# KiCad board Mainboard Small.kicad_pcb
title: Mainboard Small; date: 2025-01-09; rev: V0
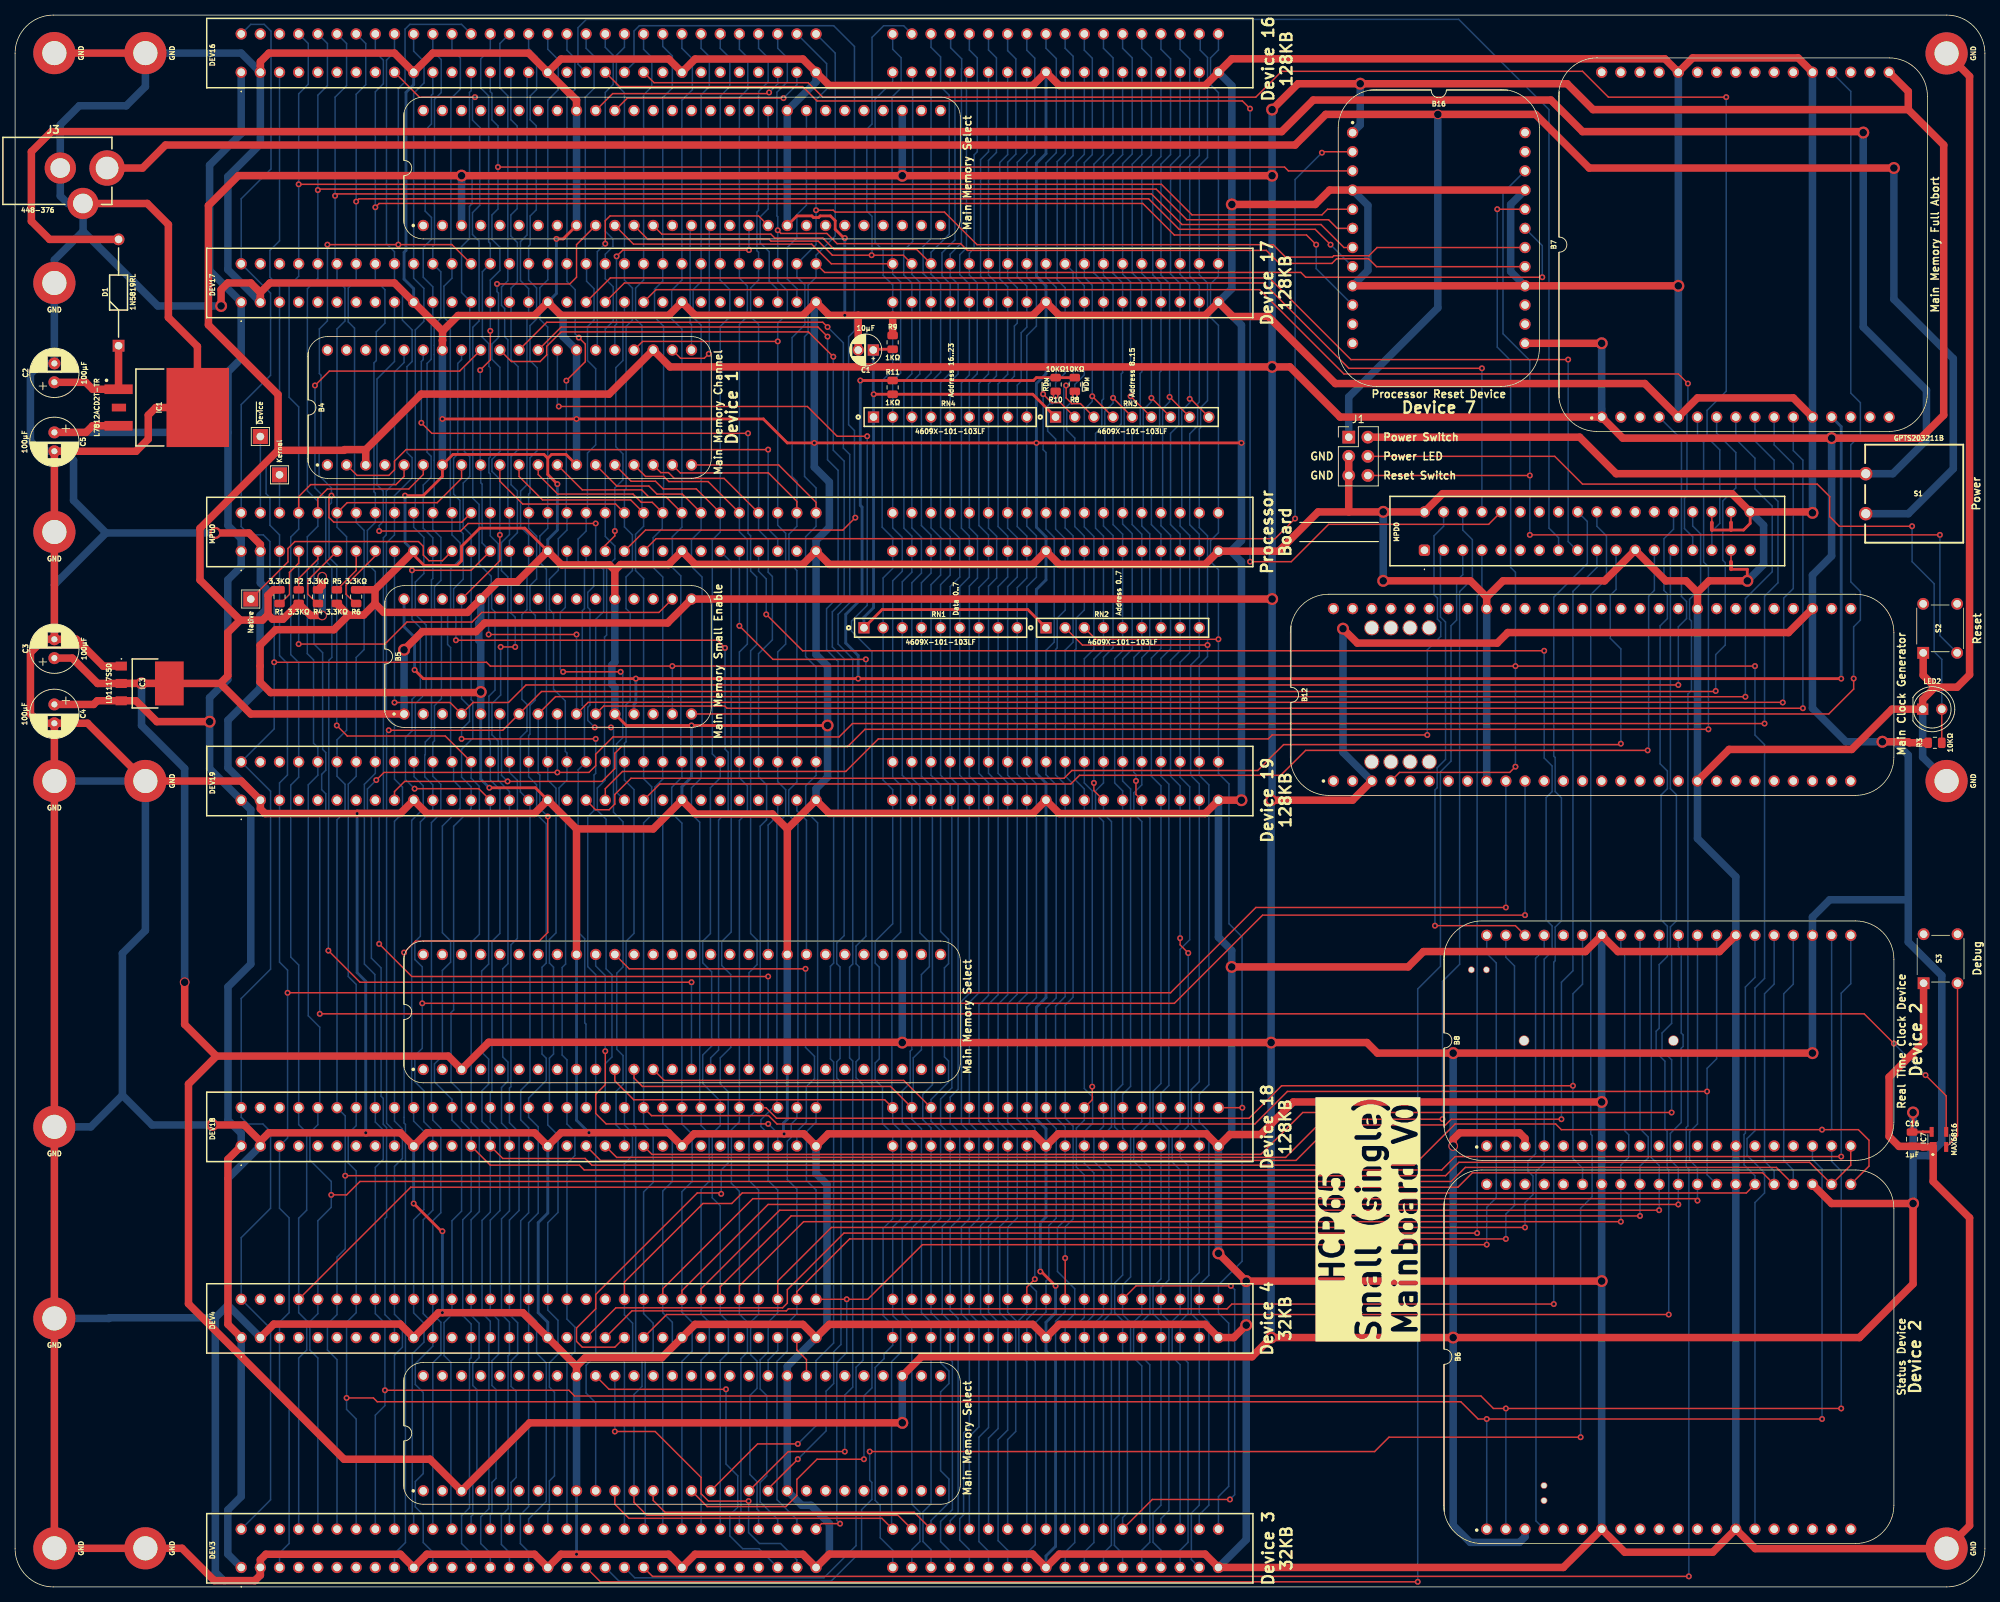
[diagram p0: board, top side]
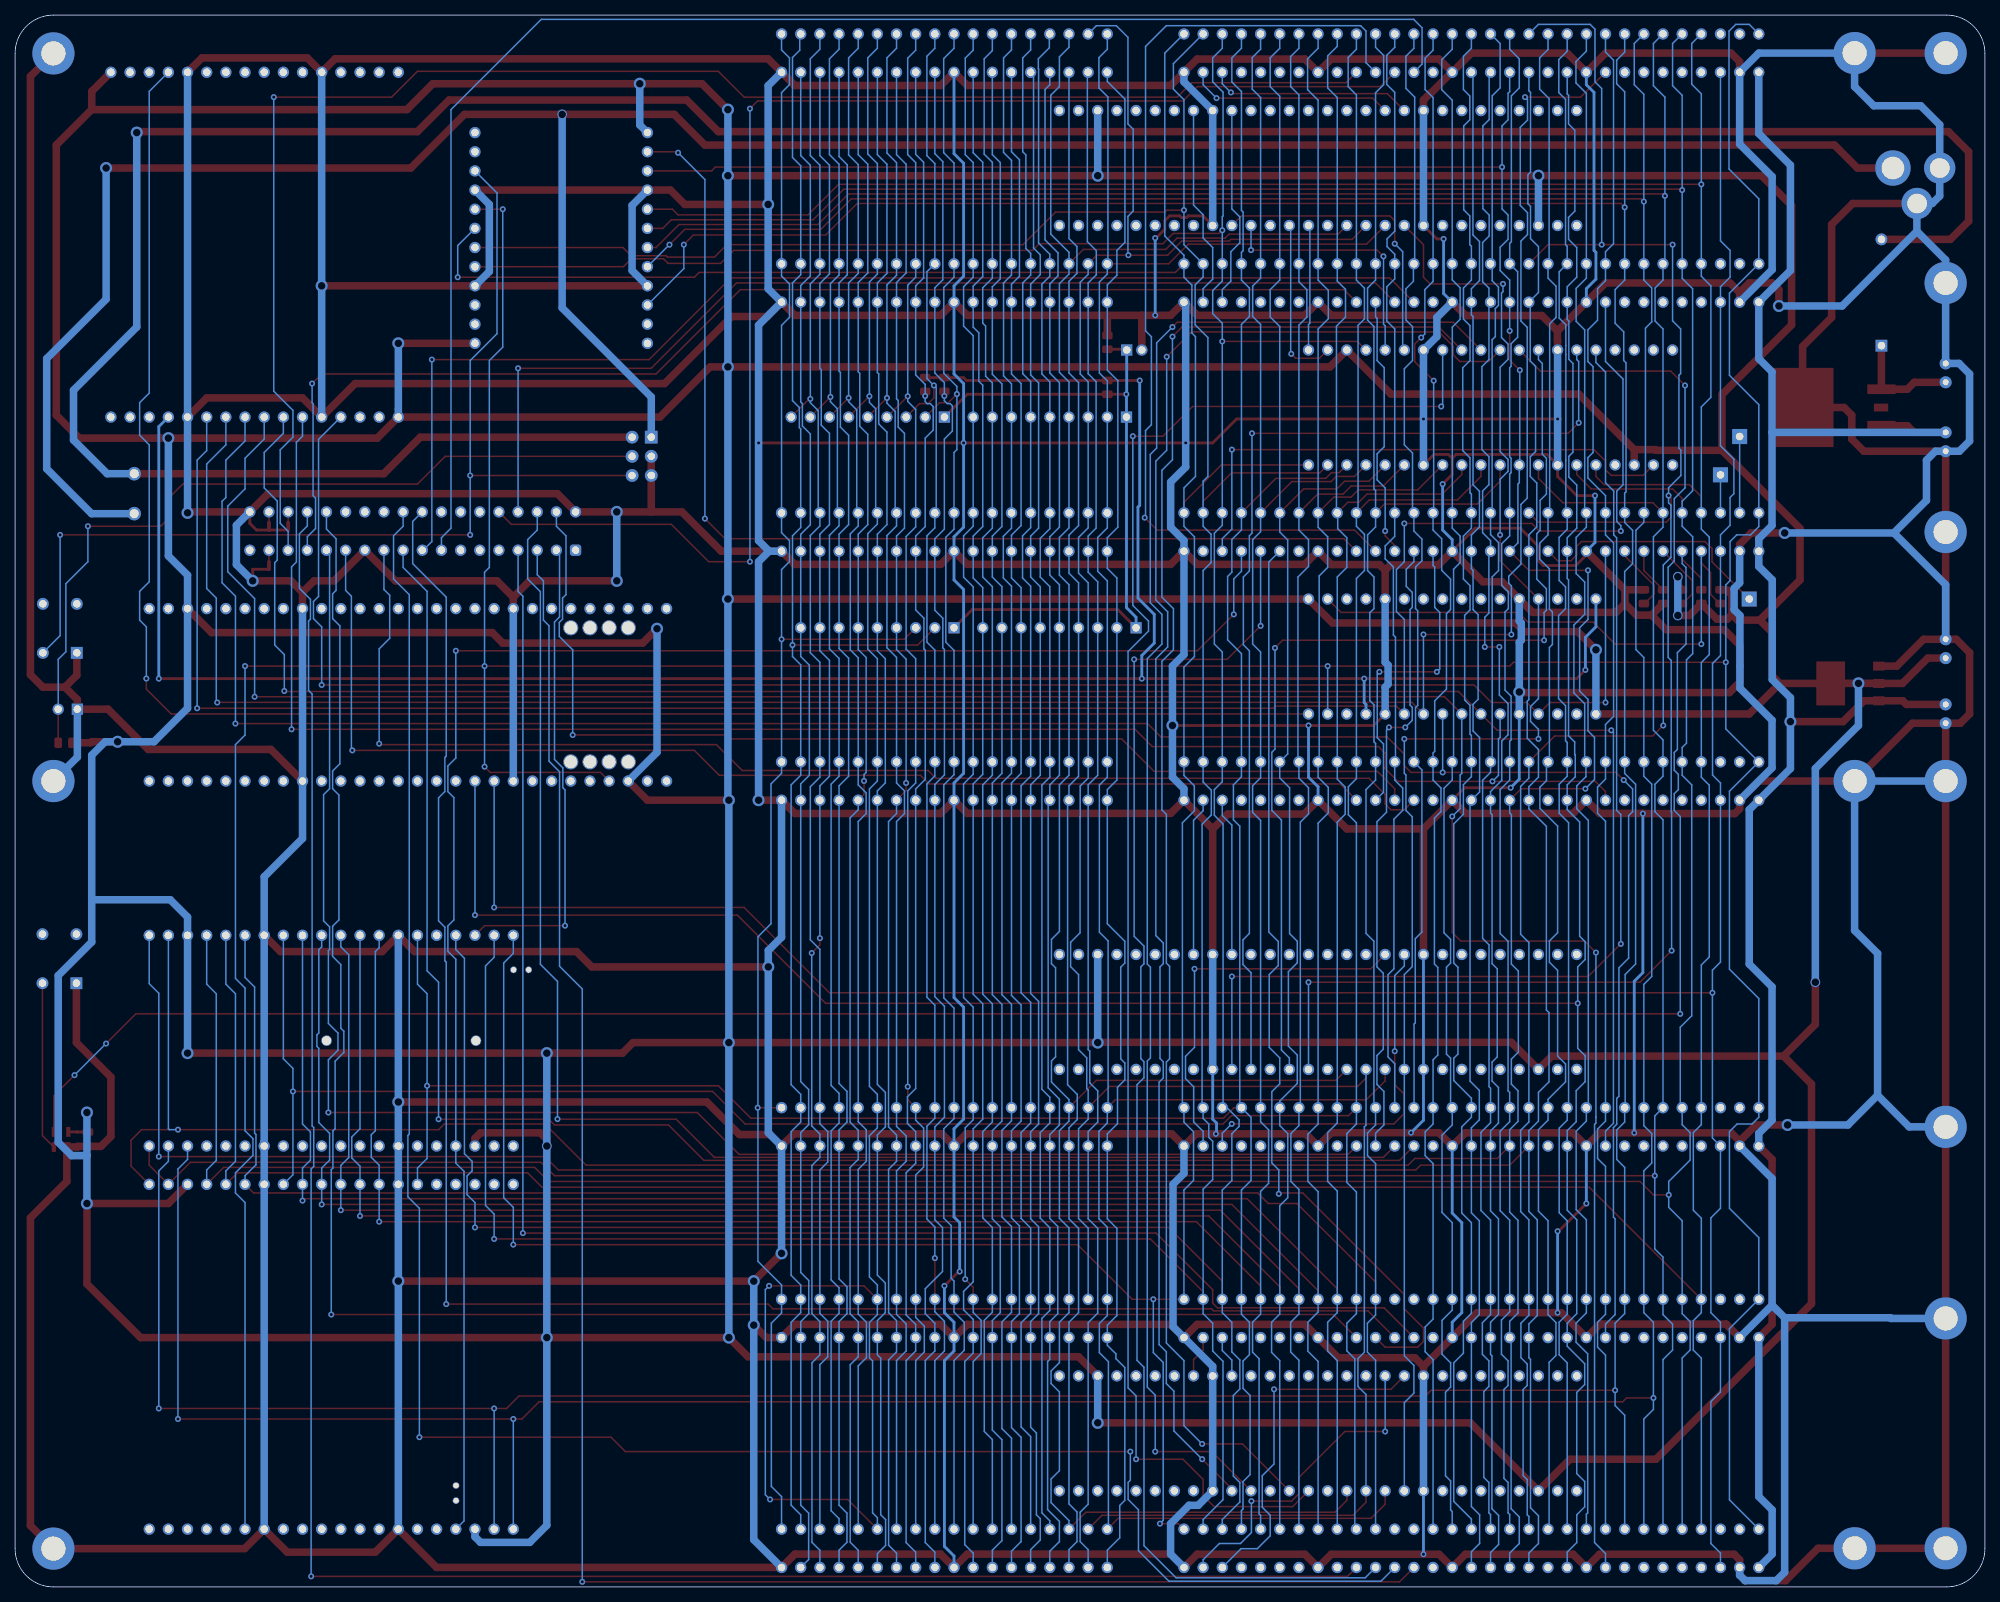
[diagram p1: board, bottom side, seen from below]

Outline 261.11 x 208.42 mm; copper layers: Top, Bottom. Coordinates in mm from the lower left corner of the outline.
Outline path: 0,203.34 arc(1.49,206.93) 5.08,208.42 256.03,208.42 arc(259.62,206.93) 261.11,203.34 261.11,5.08 arc(259.62,1.49) 256.03,0 5.08,0 arc(1.49,1.49) 0,5.08 0,203.34
Stack: Top 0.035mm / dielectric 1.51mm FR4 er 4.5 / Bottom 0.035mm

## Placement (name value [footprint] x y rotation side)
B1  Main Memory Select  [HCP65_Main_Memory_Select]  54.1 180.52 90 top
B2  Main Memory Select  [HCP65_Main_Memory_Select]  54.1 68.62 90 top
B3  Main Memory Select  [HCP65_Main_Memory_Select]  54.1 12.74 90 top
B4  Main Memory Channel  [HCP65_Main_Memory_Channel]  41.4 148.77 90 top
B5  Main Memory Small Enable  [HCP65_Main_Memory_Small_Enable]  51.56 115.75 90 top
B6  Status Device Board  [HCP65_Status_Device_Board]  195.07 7.66 90 top
B7  Main Memory Full Abort  [HCP65_Main_Memory_Full_Abort]  210.31 155.12 90 top
B8  Clock Device Board  [HCP65_Clock_Device_Board]  195.07 58.46 90 top
B12  Main Clock Generator  [HCP65_Clock_Generator]  174.75 106.86 90 top
B16  Processor Reset Device  [HCP65_Processor_Reset_Device]  177.29 192.84 0 top
C1  10μF  [CP_Radial_D4.0mm_P2.00mm]  113.76 164.01 180 top
C2  100μF  [CP_Radial_D6.3mm_P2.50mm]  5.21 159.73 90 top
C3  100μF  [CP_Radial_D6.3mm_P2.50mm]  5.21 123.15 90 top
C4  100μF  [CP_Radial_D6.3mm_P2.50mm]  5.21 117.02 270 top
C5  100μF  [CP_Radial_D6.3mm_P2.50mm]  5.21 153.08 270 top
C16  1μF  [C_0805]  251.46 59.35 0 top
D1  1N5819RL  [DIOAD1414W86L464D238]  13.72 164.58 90 top
DEV3  395-098-520-350  [395098520350]  29.97 2.58 90 top
DEV4  395-098-520-350  [395098520350]  29.97 33.06 90 top
DEV16  395-098-520-350  [395098520350]  29.97 200.84 90 top
DEV17  395-098-520-350  [395098520350]  29.97 170.36 90 top
DEV18  395-098-520-350  [395098520350]  29.97 58.46 90 top
DEV19  395-098-520-350  [395098520350]  29.97 104.32 90 top
H1  MountingHole_Pad  [HCP65_MountingHole_M3_]  256.03 203.34 90 top
H2  MountingHole_Pad  [HCP65_MountingHole_M3_]  5.21 203.38 90 top
H3  MountingHole_Pad  [HCP65_MountingHole_M3_]  256.03 5.08 90 top
H4  MountingHole_Pad  [HCP65_MountingHole_M3_]  5.21 5.12 90 top
H5  MountingHole_Pad  [HCP65_MountingHole_M3_]  5.21 172.9 0 top
H6  MountingHole_Pad  [HCP65_MountingHole_M3_]  5.21 139.88 0 top
H7  MountingHole_Pad  [HCP65_MountingHole_M3_]  5.21 106.86 0 top
H8  MountingHole_Pad  [HCP65_MountingHole_M3_]  5.21 61 0 top
H9  MountingHole_Pad  [HCP65_MountingHole_M3_]  5.21 35.6 0 top
H10  MountingHole_Pad  [HCP65_MountingHole_M3_]  256.03 106.86 90 top
H11  MountingHole_Pad  [HCP65_MountingHole_M3_]  17.27 5.12 90 top
H12  MountingHole_Pad  [HCP65_MountingHole_M3_]  17.27 203.38 90 top
H13  MountingHole_Pad  [HCP65_MountingHole_M3_]  17.27 106.86 90 top
IC1  L7812ACD2T-TR  [TO254P1542X460-3N]  20.12 156.39 270 top
IC3  LD1117S50C  [LD1117S33C]  17.27 119.8 270 top
IC7  MAX6816EUS+T  [MAX812REUST]  255.02 59.48 90 top
J1  Conn_02x03_Counter_Clockwise  [PinHeader_2x03_P2.54mm_Vertical]  176.78 152.45 0 top
J3  448-376  [448376]  0.97 188.14 180 top
LED2  Red  [LED_D5.0mm]  252.86 116.38 0 top
MPD0  2-5530843-7  [255308437]  186.82 137.46 90 top
MPU0  395-098-520-350  [395098520350]  29.97 137.34 90 top
NT1  NetTie  [NetTie-2_SMD_Pad0.5mm]  227.46 140.64 270 top
NT2  NetTie  [NetTie-2_SMD_Pad0.5mm]  227.46 135.43 270 top
NT3  NetTie  [NetTie-2_SMD_Pad0.5mm]  224.92 140.63 270 top
R1  3.3KΩ  [R_0805]  35.04 131.3 180 top
R2  3.3KΩ  [R_0805]  37.6 131.3 0 top
R3  10KΩ  [R_0805]  254.48 111.94 90 top
R4  3.3KΩ  [R_0805]  40.14 131.3 180 top
R5  3.3KΩ  [R_0805]  42.66 131.3 0 top
R6  3.3KΩ  [R_0805]  45.2 131.3 180 top
R8  10KΩ  [R_0805]  140.46 159.43 180 top
R9  1KΩ  [R_0805]  116.33 165.02 0 top
R10  10KΩ  [R_0805]  137.92 159.43 180 top
R11  1KΩ  [R_0805]  116.33 159.05 0 top
RN1  4609X-101-103LF  [4609X]  122.68 127.18 0 top
RN2  4609X-101-103LF  [4609X]  146.81 127.18 0 top
RN3  4609X-101-103LF  [4609X]  148.08 155.12 0 top
RN4  4609X-101-103LF  [4609X]  123.95 155.12 0 top
S1  -  [GPTS203211B]  245.24 144.96 180 top
S2  DTS-62N-V  [DTS62NV]  252.93 123.85 90 top
S3  DTS-62N-V  [DTS62NV]  252.98 80.05 90 top
TP1  TestPoint  [TestPoint_THTPad_2.0x2.0mm_Drill1.0mm]  32.51 152.54 0 top
TP2  TestPoint  [TestPoint_THTPad_2.0x2.0mm_Drill1.0mm]  35.05 147.46 0 top
TP3  TestPoint  [TestPoint_THTPad_2.0x2.0mm_Drill1.0mm]  31.24 130.99 0 top

## Library data of the parts
B6 = -: Silkscreen: Status Device
B8 = -: Silkscreen: Real Time Clock Device
C1-C5 = -: ki_fp_filters: CP_*
C16 = -: ki_fp_filters: C_*
D1 = -: Datasheet: http://www.st.com/web/en/resource/technical/document/datasheet/CD00001625.pdf; Description: 40V Schottky diode; Manufacturer_Name: STMicroelectronics; Mouser Part Number: 511-1N5819-TR; Mouser Price/Stock: https://www.mouser.co.uk/ProductDetail/STMicroelectronics/1N5819RL?qs=mRqUSD7FX17%2FYMiCEfKDjA%3D%3D
DEV3 DEV4 DEV16-DEV19 MPU0 = -: Datasheet: https://media.digikey.com/pdf/Data%20Sheets/EDAC%20PDFs/395-098-520-350.pdf; Description: Standard Card Edge Connectors 98P Solder Tail 5.08mm ROW SPACE; Height: 15.4; Manufacturer_Name: EDAC; Mouser Part Number: 587-395-098-520-350; Mouser Price/Stock: https://www.mouser.co.uk/ProductDetail/EDAC/395-098-520-350?qs=U4pz39agNJAWEyGruTa5gg%3D%3D; Garbage: Standard Card Edge Connectors 98P Solder Tail 5.08mm ROW SPACE
H1-H13 = -: ki_fp_filters: MountingHole*Pad*
IC1 = -: Datasheet: http://www.st.com/web/en/resource/technical/document/datasheet/CD00000444.pdf; Description: Voltage Regulator 12V 1A D2PAK STMicroelectronics L7812ACD2T-TR, Single Linear Voltage Regulator, 1.5A 12 V, +/-2%, 3-Pin D2PAK; Height: 4.6; Manufacturer_Name: STMicroelectronics
IC3 = -: Datasheet: https://www.st.com/resource/en/datasheet/ld1117.pdf; Description: IC: voltage regulator; LDO, linear, fixed; 5.0V; 0.95A; SOT223; SMD; Silkscreen: LD1117S50; Height: 1.8; Manufacturer_Name: STMicroelectronics; Garbage: IC: voltage regulator; LDO, linear, fixed; 5.0V; 0.95A; SOT223; SMD
IC7 = -: Datasheet: http://datasheets.maximintegrated.com/en/ds/MAX6816-MAX6818.pdf; Description: bounce eliminator; Height: 1.22; Manufacturer_Name: Maxim Integrated; Mouser Part Number: 700-MAX6816EUST; Mouser Price/Stock: https://www.mouser.co.uk/ProductDetail/Maxim-Integrated/MAX6816EUS%2bT?qs=1THa7WoU59EAx6vXEummCg%3D%3D; Silkscreen: MAX6816
J1 = -: Description: Generic connector, double row, 02x03, odd/even pin numbering scheme (row 1 odd numbers, row 2 even numbers), script generated (kicad-library-utils/schlib/autogen/connector/); ki_fp_filters: Connector*:*_2x??_*
J3 = -: Datasheet: https://docs.rs-online.com/902a/0900766b81582446.pdf; Description: DC socket; Height: 11; Manufacturer_Name: RS Components
LED2 = -: ki_fp_filters: LED* LED_SMD:* LED_THT:*
MPD0 = -: Datasheet: https://datasheet.datasheetarchive.com/originals/distributors/Datasheets-DGA8/2558532.pdf; Description: Standard Card Edge Connectors CONN SEC II 36 POS 100C/L; Height: 15.494; Manufacturer_Name: TE Connectivity; Mouser Part Number: 571-2-5530843-7; Mouser Price/Stock: https://www.mouser.co.uk/ProductDetail/TE-Connectivity/2-5530843-7?qs=D%2FjeFm%2FW2iQ%2FxNvh55mqEQ%3D%3D
RN1-RN4 = -: Datasheet: https://www.mouser.com/datasheet/2/54/4600x-776645.pdf; Description: 10KΩ 8-bus resistor; Height: 5.08; Manufacturer_Name: Bourns; Mouser Price/Stock: https://www.mouser.co.uk/ProductDetail/Bourns/4609X-101-102LF?qs=nFt9sTYf7TAKYPPrg1sLvw%3D%3D
S1 = -: Datasheet: http://switches-connectors-custom.cwind.com/Asset/GPTS203211BR2.pdf; Description: Pushbutton Switches SPST ON-OFF; Manufacturer_Name: CW Industries; Mouser Part Number: 629-GPTS203211B; Mouser Price/Stock: https://www.mouser.co.uk/ProductDetail/CW-Industries/GPTS203211B?qs=sajaCoHCXPR%252BmLwibobs6Q%3D%3D
S2 S3 = -: Datasheet: http://akizukidenshi.com/download/ds/cosland/DTS-6-V.PDF; Description: Tactile Switch; Height: 7; Manufacturer_Name: Diptronics; Mouser Part Number: 113-DTS-62N-V; Mouser Price/Stock: https://www.mouser.co.uk/ProductDetail/Diptronics/DTS-62N-V?qs=gTYE2QTfZfSKTB5KYn%252Brkw%3D%3D; Garbage: Tactile Switches Through Hole 6*6
TP1-TP3 = -: Description: test point; ki_fp_filters: Pin* Test*

## Footprints (pads in the part's own frame, mm; a bottom-side part is the same pattern mirrored in y, then rotated)
4609X
  rect 1.5x1.5 hole 1: 1(-10.16,0)
  round 1.5 hole 1: 2(-7.62,0) 3(-5.08,0) 4(-2.54,0) 5(0,0) 6(2.54,0) 7(5.08,0) 8(7.62,0) 9(10.16,0)
448376
  round 4.7 hole 3: INNER(-11.227,0)
  round 4.15 hole 2.6: SHL1(-8.027,4.7) SHL2(-5.027,0)
255308437
  rrect 1.5x1.5 hole 1: 1(0,0)
  round 1.5 hole 1: 2(5.08,0) 3(0,-2.54) 4(5.08,-2.54) 5(0,-5.08) 6(5.08,-5.08) 7(0,-7.62) 8(5.08,-7.62) 9(0,-10.16) 10(5.08,-10.16) 11(0,-12.7) 12(5.08,-12.7) 13(0,-15.24) 14(5.08,-15.24) 15(0,-17.78) 16(5.08,-17.78) 17(0,-20.32) 18(5.08,-20.32) 19(0,-22.86) 20(5.08,-22.86) 21(0,-25.4) 22(5.08,-25.4) 23(0,-27.94) 24(5.08,-27.94) 25(0,-30.48) 26(5.08,-30.48) 27(0,-33.02) 28(5.08,-33.02) 29(0,-35.56) 30(5.08,-35.56) 31(0,-38.1) 32(5.08,-38.1) 33(0,-40.64) 34(5.08,-40.64) 35(0,-43.18) 36(5.08,-43.18)
395098520350
  round 1.5 hole 1: A1(5.08,0) A2(5.08,-2.54) A3(5.08,-5.08) A4(5.08,-7.62) A5(5.08,-10.16) A6(5.08,-12.7) A7(5.08,-15.24) A8(5.08,-17.78) A9(5.08,-20.32) A10(5.08,-22.86) A11(5.08,-25.4) A12(5.08,-27.94) A13(5.08,-30.48) A14(5.08,-33.02) A15(5.08,-35.56) A16(5.08,-38.1) A17(5.08,-40.64) A18(5.08,-43.18) A19(5.08,-45.72) A20(5.08,-48.26) A21(5.08,-50.8) A22(5.08,-53.34) A23(5.08,-55.88) A24(5.08,-58.42) A25(5.08,-60.96) A26(5.08,-63.5) A27(5.08,-66.04) A28(5.08,-68.58) A29(5.08,-71.12) A30(5.08,-73.66) A31(5.08,-76.2) B1(0,0) B2(0,-2.54) B3(0,-5.08) B4(0,-7.62) B5(0,-10.16) B6(0,-12.7) B7(0,-15.24) B8(0,-17.78) B9(0,-20.32) B10(0,-22.86) B11(0,-25.4) B12(0,-27.94) B13(0,-30.48) B14(0,-33.02) B15(0,-35.56) B16(0,-38.1) B17(0,-40.64) B18(0,-43.18) B19(0,-45.72) B20(0,-48.26) B21(0,-50.8) B22(0,-53.34) B23(0,-55.88) B24(0,-58.42) B25(0,-60.96) B26(0,-63.5) B27(0,-66.04) B28(0,-68.58) B29(0,-71.12) B30(0,-73.66) B31(0,-76.2) C1(5.08,-86.36) C2(5.08,-88.9) C3(5.08,-91.44) C4(5.08,-93.98) C5(5.08,-96.52) C6(5.08,-99.06) C7(5.08,-101.6) C8(5.08,-104.14) C9(5.08,-106.68) C10(5.08,-109.22) C11(5.08,-111.76) C12(5.08,-114.3) C13(5.08,-116.84) C14(5.08,-119.38) C15(5.08,-121.92) C16(5.08,-124.46) C17(5.08,-127) C18(5.08,-129.54) D1(0,-86.36) D2(0,-88.9) D3(0,-91.44) D4(0,-93.98) D5(0,-96.52) D6(0,-99.06) D7(0,-101.6) D8(0,-104.14) D9(0,-106.68) D10(0,-109.22) D11(0,-111.76) D12(0,-114.3) D13(0,-116.84) D14(0,-119.38) D15(0,-121.92) D16(0,-124.46) D17(0,-127) D18(0,-129.54)
C_0805
  rrect 1.45x1 smd: 1(0,-0.934) 2(0,0.966)
CP_Radial_D4.0mm_P2.00mm
  rect 1.5x1.5 hole 1: 1(0,0)
  round 1.5 hole 1: 2(2,0)
CP_Radial_D6.3mm_P2.50mm
  round 1.6 hole 0.8: 1(0,0) 2(2.5,0)
DIOAD1414W86L464D238
  rect 1.575x1.575 hole 1: 1(0,0)
  round 1.575 hole 1: 2(14.1,0)
DTS62NV
  rect 1.575x1.575 hole 1: 1(0,0)
  round 1.575 hole 1: 2(6.5,0) 3(0,-4.5) 4(6.5,-4.5)
GPTS203211B
  round 1.8 hole 1.2: 1(-0.081,-2.65) 2(-0.081,2.65)
HCP65_Clock_Device_Board
  round 1.4 hole 1.2 unplated: (13.97,-4.953) (13.97,-24.753)
  round 0.9 hole 0.7 unplated: (23.368,2.032) (23.368,0.032)
  round 1.5 hole 1: 1(0,0) 2(0,-2.54) 3(0,-5.08) 4(0,-7.62) 5(0,-10.16) 6(0,-12.7) 7(0,-15.24) 8(0,-17.78) 9(0,-20.32) 10(0,-22.86) 11(0,-25.4) 12(0,-27.94) 13(0,-30.48) 14(0,-33.02) 15(0,-35.56) 16(0,-38.1) 17(0,-40.64) 18(0,-43.18) 19(0,-45.72) 20(0,-48.26) 21(27.94,-48.26) 22(27.94,-45.72) 23(27.94,-43.18) 24(27.94,-40.64) 25(27.94,-38.1) 26(27.94,-35.56) 27(27.94,-33.02) 28(27.94,-30.48) 29(27.94,-27.94) 30(27.94,-25.4) 31(27.94,-22.86) 32(27.94,-20.32) 33(27.94,-17.78) 34(27.94,-15.24) 35(27.94,-12.7) 36(27.94,-10.16) 37(27.94,-7.62) 38(27.94,-5.08) 39(27.94,-2.54) 40(27.94,0)
HCP65_Clock_Generator
  round 2 hole 1.7 unplated: (2.54,-5.08) (2.54,-7.62) (2.54,-10.16) (2.54,-12.7) (20.32,-5.08) (20.32,-7.62) (20.32,-10.16) (20.32,-12.7)
  round 1.5 hole 1: 1(0,0) 2(0,-2.54) 3(0,-5.08) 4(0,-7.62) 5(0,-10.16) 6(0,-12.7) 7(0,-15.24) 8(0,-17.78) 9(0,-20.32) 10(0,-22.86) 11(0,-25.4) 12(0,-27.94) 13(0,-30.48) 14(0,-33.02) 15(0,-35.56) 16(0,-38.1) 17(0,-40.64) 18(0,-43.18) 19(0,-45.72) 20(0,-48.26) 21(0,-50.8) 22(0,-53.34) 23(0,-55.88) 24(0,-58.42) 25(0,-60.96) 26(0,-63.5) 27(0,-66.04) 28(0,-68.58) 29(22.86,-68.58) 30(22.86,-66.04) 31(22.86,-63.5) 32(22.86,-60.96) 33(22.86,-58.42) 34(22.86,-55.88) 35(22.86,-53.34) 36(22.86,-50.8) 37(22.86,-48.26) 38(22.86,-45.72) 39(22.86,-43.18) 40(22.86,-40.64) 41(22.86,-38.1) 42(22.86,-35.56) 43(22.86,-33.02) 44(22.86,-30.48) 45(22.86,-27.94) 46(22.86,-25.4) 47(22.86,-22.86) 48(22.86,-20.32) 49(22.86,-17.78) 50(22.86,-15.24) 51(22.86,-12.7) 52(22.86,-10.16) 53(22.86,-7.62) 54(22.86,-5.08) 55(22.86,-2.54) 56(22.86,0)
HCP65_Main_Memory_Channel
  round 1.5 hole 1: 1(0,0) 2(0,-2.54) 3(0,-5.08) 4(0,-7.62) 5(0,-10.16) 6(0,-12.7) 7(0,-15.24) 8(0,-17.78) 9(0,-20.32) 10(0,-22.86) 11(0,-25.4) 12(0,-27.94) 13(0,-30.48) 14(0,-33.02) 15(0,-35.56) 16(0,-38.1) 17(0,-40.64) 18(0,-43.18) 19(0,-45.72) 20(0,-48.26) 21(15.24,-48.26) 22(15.24,-45.72) 23(15.24,-43.18) 24(15.24,-40.64) 25(15.24,-38.1) 26(15.24,-35.56) 27(15.24,-33.02) 28(15.24,-30.48) 29(15.24,-27.94) 30(15.24,-25.4) 31(15.24,-22.86) 32(15.24,-20.32) 33(15.24,-17.78) 34(15.24,-15.24) 35(15.24,-12.7) 36(15.24,-10.16) 37(15.24,-7.62) 38(15.24,-5.08) 39(15.24,-2.54) 40(15.24,0)
HCP65_Main_Memory_Full_Abort
  round 1.5 hole 1: 1(0,0) 2(0,-2.54) 3(0,-5.08) 4(0,-7.62) 5(0,-10.16) 6(0,-12.7) 7(0,-15.24) 8(0,-17.78) 9(0,-20.32) 10(0,-22.86) 11(0,-25.4) 12(0,-27.94) 13(0,-30.48) 14(0,-33.02) 15(0,-35.56) 16(0,-38.1) 17(45.72,-38.1) 18(45.72,-35.56) 19(45.72,-33.02) 20(45.72,-30.48) 21(45.72,-27.94) 22(45.72,-25.4) 23(45.72,-22.86) 24(45.72,-20.32) 25(45.72,-17.78) 26(45.72,-15.24) 27(45.72,-12.7) 28(45.72,-10.16) 29(45.72,-7.62) 30(45.72,-5.08) 31(45.72,-2.54) 32(45.72,0)
HCP65_Main_Memory_Select
  round 1.5 hole 1: 1(0,0) 2(0,-2.54) 3(0,-5.08) 4(0,-7.62) 5(0,-10.16) 6(0,-12.7) 7(0,-15.24) 8(0,-17.78) 9(0,-20.32) 10(0,-22.86) 11(0,-25.4) 12(0,-27.94) 13(0,-30.48) 14(0,-33.02) 15(0,-35.56) 16(0,-38.1) 17(0,-40.64) 18(0,-43.18) 19(0,-45.72) 20(0,-48.26) 21(0,-50.8) 22(0,-53.34) 23(0,-55.88) 24(0,-58.42) 25(0,-60.96) 26(0,-63.5) 27(0,-66.04) 28(0,-68.58) 29(15.24,-68.58) 30(15.24,-66.04) 31(15.24,-63.5) 32(15.24,-60.96) 33(15.24,-58.42) 34(15.24,-55.88) 35(15.24,-53.34) 36(15.24,-50.8) 37(15.24,-48.26) 38(15.24,-45.72) 39(15.24,-43.18) 40(15.24,-40.64) 41(15.24,-38.1) 42(15.24,-35.56) 43(15.24,-33.02) 44(15.24,-30.48) 45(15.24,-27.94) 46(15.24,-25.4) 47(15.24,-22.86) 48(15.24,-20.32) 49(15.24,-17.78) 50(15.24,-15.24) 51(15.24,-12.7) 52(15.24,-10.16) 53(15.24,-7.62) 54(15.24,-5.08) 55(15.24,-2.54) 56(15.24,0)
HCP65_Main_Memory_Small_Enable
  round 1.5 hole 1: 1(0,0) 2(0,-2.54) 3(0,-5.08) 4(0,-7.62) 5(0,-10.16) 6(0,-12.7) 7(0,-15.24) 8(0,-17.78) 9(0,-20.32) 10(0,-22.86) 11(0,-25.4) 12(0,-27.94) 13(0,-30.48) 14(0,-33.02) 15(0,-35.56) 16(0,-38.1) 17(15.24,-38.1) 18(15.24,-35.56) 19(15.24,-33.02) 20(15.24,-30.48) 21(15.24,-27.94) 22(15.24,-25.4) 23(15.24,-22.86) 24(15.24,-20.32) 25(15.24,-17.78) 26(15.24,-15.24) 27(15.24,-12.7) 28(15.24,-10.16) 29(15.24,-7.62) 30(15.24,-5.08) 31(15.24,-2.54) 32(15.24,0)
HCP65_MountingHole_M3_
  round 5.6 hole 3.2: 1(0,0)
HCP65_Processor_Reset_Device
  round 1.5 hole 1: 1(0,0) 2(0,-2.54) 3(0,-5.08) 4(0,-7.62) 5(0,-10.16) 6(0,-12.7) 7(0,-15.24) 8(0,-17.78) 9(0,-20.32) 10(0,-22.86) 11(0,-25.4) 12(0,-27.94) 13(22.86,-27.94) 14(22.86,-25.4) 15(22.86,-22.86) 16(22.86,-20.32) 17(22.86,-17.78) 18(22.86,-15.24) 19(22.86,-12.7) 20(22.86,-10.16) 21(22.86,-7.62) 22(22.86,-5.08) 23(22.86,-2.54) 24(22.86,0)
HCP65_Status_Device_Board
  round 0.9 hole 0.7 unplated: (3.785,-7.595) (5.785,-7.595)
  round 1.5 hole 1: 1(0,0) 2(0,-2.54) 3(0,-5.08) 4(0,-7.62) 5(0,-10.16) 6(0,-12.7) 7(0,-15.24) 8(0,-17.78) 9(0,-20.32) 10(0,-22.86) 11(0,-25.4) 12(0,-27.94) 13(0,-30.48) 14(0,-33.02) 15(0,-35.56) 16(0,-38.1) 17(0,-40.64) 18(0,-43.18) 19(0,-45.72) 20(0,-48.26) 21(45.72,-48.26) 22(45.72,-45.72) 23(45.72,-43.18) 24(45.72,-40.64) 25(45.72,-38.1) 26(45.72,-35.56) 27(45.72,-33.02) 28(45.72,-30.48) 29(45.72,-27.94) 30(45.72,-25.4) 31(45.72,-22.86) 32(45.72,-20.32) 33(45.72,-17.78) 34(45.72,-15.24) 35(45.72,-12.7) 36(45.72,-10.16) 37(45.72,-7.62) 38(45.72,-5.08) 39(45.72,-2.54) 40(45.72,0)
LD1117S33C
  rect 1.2x1.5 smd: 1(-2.3,-3.2) 2(0,-3.2) 3(2.3,-3.2)
  rect 5.842x3.81 smd: 4(0,3.175)
LED_D5.0mm
  rect 1.5x1.5 hole 1: 1(0,0)
  round 1.5 hole 1: 2(2.54,0)
MAX812REUST
  rect 1.31x0.94 smd: 1(-1.142,0.765)
  rect 1.31x0.55 smd: 2(-1.142,-0.96) 3(0.858,-0.96) 4(0.858,0.96)
NetTie-2_SMD_Pad0.5mm
  round 0.5 smd: 1(-0.5,0) 2(0.5,0)
PinHeader_2x03_P2.54mm_Vertical
  rect 1.7x1.7 hole 1: 1(0,0)
  round 1.7 hole 1: 2(2.54,0) 3(0,-2.54) 4(2.54,-2.54) 5(0,-5.08) 6(2.54,-5.08)
R_0805
  rrect 1.4x1.025 smd: 1(-0.01,-0.912) 2(-0.01,0.912)
TestPoint_THTPad_2.0x2.0mm_Drill1.0mm
  rect 2x2 hole 1: 1(0,0)
TO254P1542X460-3N
  rect 1.287x3.75 smd: 1(-2.421,-6.4) 3(2.421,-6.4)
  rect 1.033x1.89 smd: 2(0.009,-6.35)
  rect 10.5x8.3 smd: 4(0,4.1)
